# Altium PCB RevA2.PcbDoc (part 4 of 6) (continued)
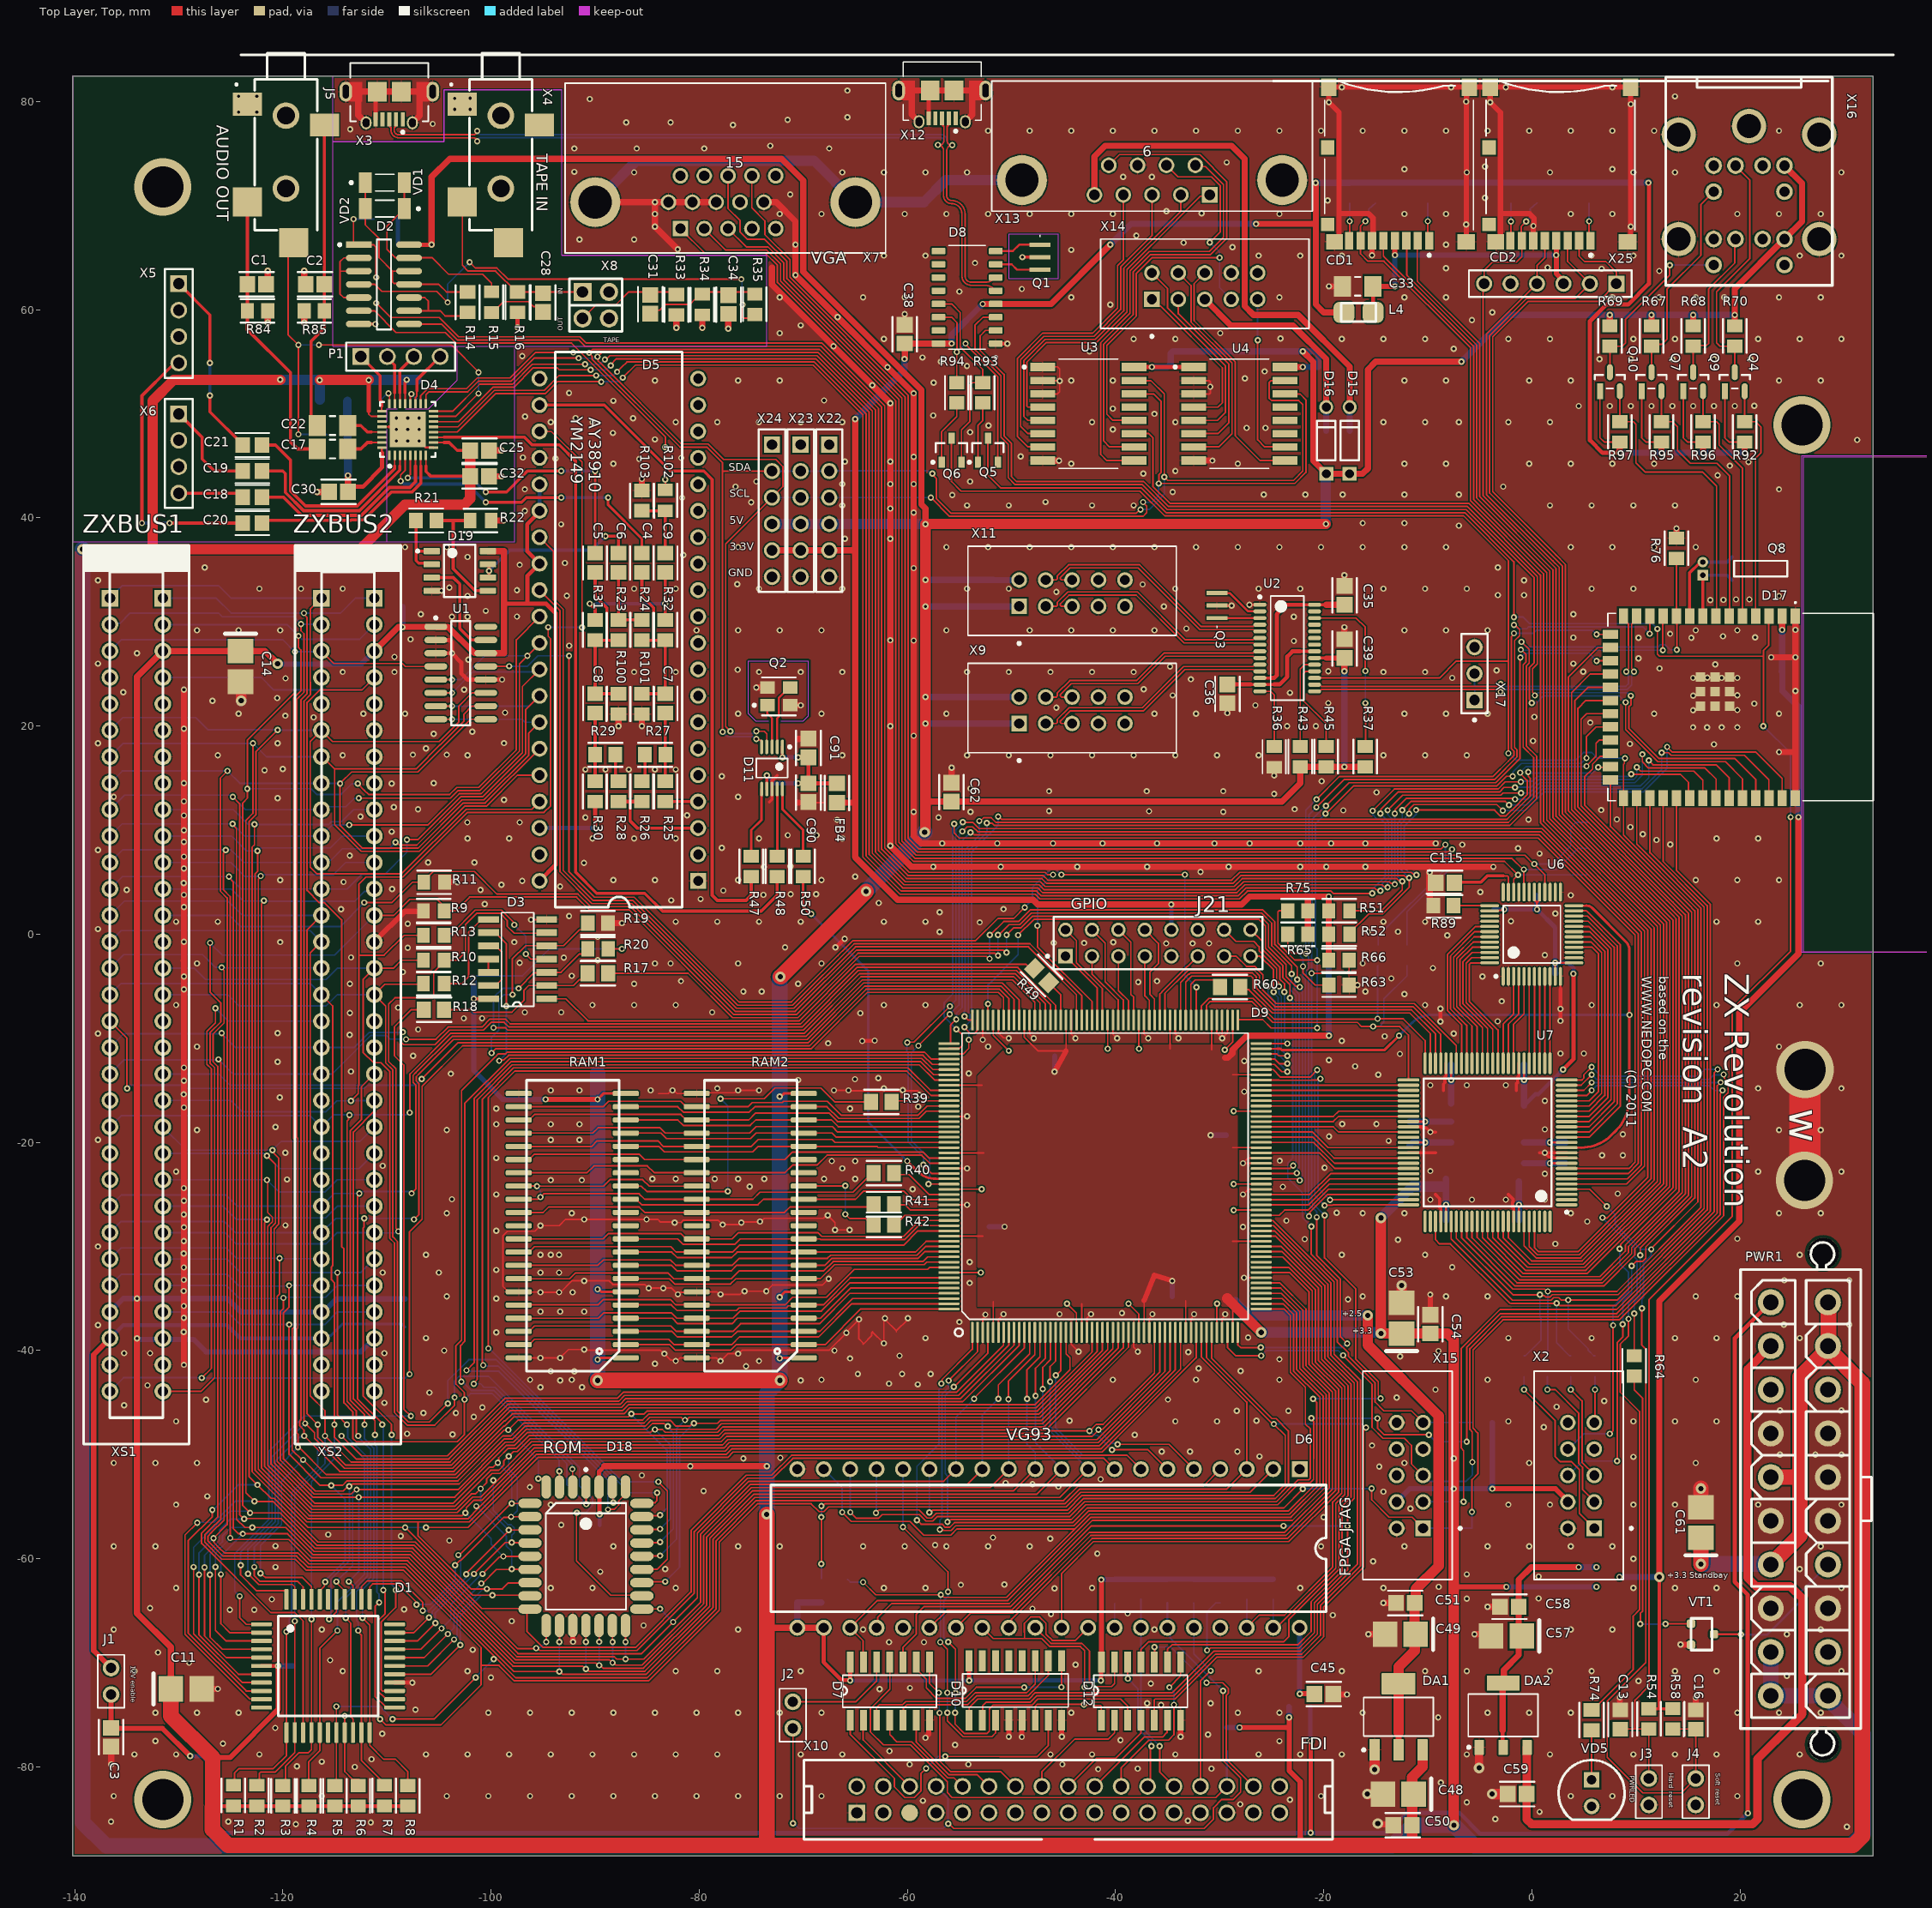
[diagram p0: Top Layer, Top view]
## Nets (pads, with @x,y where several pads share a name; then routed paths per layer and width w, separated by ;. In a path a pad name is that pad's centre, name@x,y a point inside that pad or via, vN(x,y) a via of type N, cw(c..) or ccw(c..) an arc to the next point about the centre after c; other vN are vias at no path point) (continued)
  other v1: 30.274,-85.739 -118.75,-85.5 -111.546,-85.338 -136.5,-85.25 -125.238,-85.25 -33.05,-85.168 -3.5,-85 0.75,-84.32 -28.012,-83.585 -6.25,-83.391 -58.5,-83.25 -23.236,-83.145 -136.25,-82.8 -116.25,-82.8 -104.25,-82.8 -100.25,-82.8 -96.25,-82.8 -92.25,-82.8 -88.25,-82.8 -84.25,-82.8 -80.25,-82.8 -76.25,-82.8 -72.25,-82.8 -68.25,-82.8 -20.25,-82.8 3.75,-82.8 7.75,-82.8 19.75,-82.8 -8.75,-81.5 -41.666,-80.215 -37.855,-80.162 -30.777,-80.162 -113.079,-80 -118.65,-79.941 -59.775,-79.75 -54.129,-79.75 -45.1,-79.75 -116.25,-79.5 -111.479,-79.262 -134.25,-78.8 -130.25,-78.8 -122.25,-78.8 -106.25,-78.8 -102.25,-78.8 -98.25,-78.8 -94.25,-78.8 -90.25,-78.8 -86.25,-78.8 -82.25,-78.8 -78.25,-78.8 -70.25,-78.8 -66.25,-78.8 -46.25,-78.8 -42.25,-78.8 -34.25,-78.8 -26.25,-78.8 -22.25,-78.8 -18.25,-78.8 -6.25,-78.8 1.75,-78.8 9.75,-78.8 13.75,-78.8 17.75,-78.8 25.75,-78.8 -61.719,-78.484 -55.41,-77.886 -125.75,-77.75 -24.25,-77.522 -132.25,-77.5 -39.525,-77.425 -31.104,-76.898 -110.45,-76.8 -120.731,-76.25 -9,-75.25 -132.25,-74.8 -128.25,-74.8 -124.25,-74.8 -100.25,-74.8 -96.25,-74.8 -92.25,-74.8 -88.25,-74.8 -84.25,-74.8 -80.25,-74.8 -76.25,-74.8 -72.25,-74.8 -68.25,-74.8 -44.25,-74.8 -28.25,-74.8 -24.25,-74.8 -16.25,-74.8 -4.25,-74.8 -0.25,-74.8 3.75,-74.8 19.75,-74.8 23.75,-74.8 27.75,-74.8 -107.25,-74.5 -35.62,-74.047 -30.865,-73.892 -36.96,-73.88 -62.674,-72.536 -59.75,-72.414 -36.605,-72 10.25,-71.75 -100,-71.411 24.5,-71.25 -134.25,-70.8 -114.25,-70.8 -102.25,-70.8 -82.25,-70.8 -78.25,-70.8 -70.25,-70.8 -26.25,-70.8 -18.25,-70.8 -10.25,-70.8 -6.25,-70.8 1.75,-70.8 5.75,-70.8 13.75,-70.8 17.75,-70.8 29.75,-70.8 -43.826,-70.169 -129,-70 -115.45,-69.75 -132,-69 -101.75,-68.75 -61.75,-68.01 -58.403,-68.01 24.5,-67.25 -136.25,-66.8 -116.25,-66.8 -76.25,-66.8 -64.25,-66.8 -36.25,-66.8 3.75,-66.8 7.75,-66.8 27.75,-66.8 -85.345,-66.41 -98,-66 -19.13,-65.42 -46.199,-65.305 -38.828,-65.25 -125.096,-64.9 -122.75,-64.9 -108.35,-64.87 -47.982,-64.796 -132.75,-64.75 -121.05,-63.9 -6.25,-63.835 0.644,-63.818 -45.846,-62.836 -130.25,-62.8 -94.25,-62.8 -90.25,-62.8 -82.25,-62.8 -62.25,-62.8 -58.25,-62.8 -42.25,-62.8 -22.25,-62.8 -14.25,-62.8 9.75,-62.8 13.75,-62.8 17.75,-62.8 29.75,-62.8 -8.944,-62.7 -54.858,-62.503 -50.666,-62.464 0.665,-61.717 -6.25,-61.5 -89.5,-61.25 -83.25,-61 25.75,-61 -120.7,-60.8 -15.25,-60.25 9.75,-60 -41.75,-59.5 -136.25,-58.8 -132.25,-58.8 -88.25,-58.8 -76.25,-58.8 -72.25,-58.8 -64.25,-58.8 -60.25,-58.8 -56.25,-58.8 -52.25,-58.8 -48.25,-58.8 -20.25,-58.8 -12.25,-58.8 -4.25,-58.8 -0.25,-58.8 3.75,-58.8 7.75,-58.8 27.75,-58.8 -120.7,-58.78 -57.327,-58.683 -104,-58.25 -46.277,-58.076 -51.763,-57.958 -108.665,-57.813 -115.633,-57.677 -93.25,-56.759 -20,-56 -11.669,-55.18 -130.25,-54.8 -94.25,-54.8 -2.25,-54.8 1.75,-54.8 9.75,-54.8 13.75,-54.8 21.75,-54.8 29.75,-54.8 -127.25,-54 -14.25,-53.56 -79.574,-53.488 -96.265,-53.11 -45.495,-53.058 -47.968,-52.833 -50.562,-52.729 -41.425,-52.357 -85.505,-51.985 -14.657,-51.146 -136.25,-50.8 -132.25,-50.8 -128.25,-50.8 -12.25,-50.8 -0.25,-50.8 15.75,-50.8 -75.75,-50.353 -72.202,-50.298 9.75,-50.21 -26.162,-50.169 23.84,-50 27.25,-50 29.75,-50 -35.549,-49.712 -32.837,-49.712 -28.288,-49.712 -15.352,-49.114 -38.162,-48.103 -103.681,-48.061 -108.062,-48 1.137,-47.357 -130.25,-46.8 -34.25,-46.8 -30.25,-46.8 -2.25,-46.8 9.75,-46.8 13.75,-46.8 17.75,-46.8 -44.408,-46.73 -26.46,-46.732 -101.65,-46.363 -106.5,-46 -103.375,-46 -28.347,-45.798 -23.388,-45.798 23.84,-45.75 29.75,-45.75 -100.825,-45.463 2.379,-45.404 -135.25,-45.25 -110.25,-45.022 6.967,-44.837 -127.388,-44.71 -34.963,-44.706 -12.98,-44.514 -105.915,-44.042 -9.25,-43.75 -95.25,-43.525 -91.25,-43.525 -133,-43.344 -59,-43.25 -61.75,-43.172 -93.35,-42.863 -70.25,-42.863 -96.25,-42.8 -92.25,-42.8 -68.25,-42.8 -40.25,-42.8 -32.25,-42.8 -24.25,-42.8 -4.25,-42.8 15.75,-42.8 -64.75,-42.25 -60.5,-42.25 -57.75,-42.25 -94.25,-41.983 -92,-42 -27.983,-41.952 -32.023,-41.706 -75.5,-41.5 -84.25,-41.25 -74.25,-41 -24.25,-40.834 -65.5,-40.75 -12.644,-40.565 -60.75,-40.5 -135.25,-40.25 -132.75,-40.25 -110.25,-40.25 -32.997,-40.152 -8.968,-40.037 -104.5,-40 -67,-40 -106.25,-38.8 -58.25,-38.8 -2.25,-38.8 5.75,-38.8 13.75,-38.8 17.75,-38.8 25.75,-38.8 -27.25,-38.75 -99.5,-38.25 -137.75,-37.553 24.206,-37.5 30.5,-37.5 -55,-37.25 -45.375,-36.5 -39.375,-36.4 -95.25,-36.25 -93.35,-36.25 -91.05,-36.25 -17.656,-35.085 -99.5,-35 -104.25,-34.8 -16.25,-34.8 -8.25,-34.8 -4.25,-34.8 15.75,-34.8 19.75,-34.8 -92.15,-34.4 -54,-33.5 24.25,-33.25 30.5,-33.25 -129.507,-33.2 -110.41,-32.5 -105,-32.5 -95.25,-32.5 -93.45,-32.5 -99.5,-32.25 -7.644,-32 -54,-31.5 -106.25,-30.8 -95.25,-30.8 -94.25,-30.8 -93.45,-30.8 -18.25,-30.8 -10.25,-30.8 21.75,-30.8 25.75,-30.8 -137.75,-30 2.25,-29.75 -12.856,-29.35 -21.823,-29.287 19.75,-29.25 -99.5,-28.5 -27.75,-28.106 -119.745,-27.965 5.324,-27.6 -23.581,-27.52 -104.25,-26.8 -92.25,-26.8 -16.25,-26.8 -12.25,-26.8 3.75,-26.8 23.75,-26.8 27.75,-26.8 -18.738,-26.767 -9.75,-25.5 -5.75,-25.5 -2.5,-25.5 1.25,-25.5 -103.75,-25.46 -99.5,-25 8.254,-24.928 -59.5,-24.5 -75.15,-24.25 -23.923,-24.265 -94.25,-23.614 -91.276,-23.614 -119.603,-23.557 -84.5,-23.5 -82.25,-23.5 -78.5,-23.5 -76.25,-23.5 -73.75,-23.5 -68,-23.5 -65,-23.5 1.25,-23 -130.25,-22.8 21.75,-22.8 29.75,-22.8 -9.75,-22.75 -66.25,-22.5 -19.915,-22.437 -110.41,-22.25 -67.25,-21.8 -65,-21.8 -24.214,-21.76 -99.5,-21.5 6.75,-21.25 8.75,-21.25 -119.766,-20.998 -13.75,-19.85 -137.75,-19.75 -94.25,-19.75 -91.5,-19.75 -19.477,-19.429 8.75,-19.222 -128.25,-18.8 -104.25,-18.8 23.75,-18.8 27.75,-18.8 1.25,-18.75 -120.7,-18.51 -99.5,-18.25 -94.25,-18.25 -91.5,-18.25 -18.224,-18.242 -14.932,-18.231 -99.5,-16.75 -65.5,-16.75 -58.95,-16.562 1.25,-16 -120.294,-15.675 -58.859,-15.437 -27.622,-15.125 -94.25,-15 -91.5,-15 -84.65,-15 -60.445,-14.978 -78.25,-14.8 -62.25,-14.8 21.75,-14.8 29.75,-14.8 -9.75,-14.5 -6.25,-14.5 -2.5,-14.5 -70.5,-14 -65.032,-13.921 -62.793,-13.822 -14.75,-13.5 -103.863,-13.397 -54.1,-13.375 -113.45,-13.181 -16.967,-12.691 -120.5,-12.25 -27.622,-12.176 -19.5,-12.1 -107.475,-11.69 -12.678,-11.5 2.75,-11.451 5,-11.451 -128.25,-10.8 -52.25,-10.8 23.75,-10.8 -67.609,-10.473 -64.332,-10.259 -18.25,-10.25 -14.131,-9.802 -113.587,-9.669 -137.75,-9.547 -7.509,-9.534 -120.5,-9.5 -107,-9.15 -3.283,-8.362 -102.607,-8.073 -100.863,-8.073 -64.517,-7.579 -113.563,-7.559 -96.75,-7.5 -93.25,-7.5 -78.75,-7.5 2.75,-7.175 -108.931,-7.05 -130.25,-6.8 -90.25,-6.8 -86.25,-6.8 -82.25,-6.8 -62.25,-6.8 -58.25,-6.8 -10.25,-6.8 5.75,-6.8 17.75,-6.8 25.75,-6.8 29.75,-6.8 -2.9,-6.438 -12.25,-5.75 -75.75,-5.5 -74,-5.5 -16,-5.5 -113.563,-4.771 -86.25,-4.75 -70.5,-4.75 -37.808,-4.604 -81.75,-4.5 -36,-4.5 -13.5,-4.25 -129.5,-4.07 -4.75,-4.05 -92.25,-4 -108.471,-3.631 -9.5,-3.25 -128.25,-2.8 -84.25,-2.8 -82.75,-2.8 -76.25,-2.8 -68.25,-2.8 -16.25,-2.8 19.75,-2.8 27.75,-2.8 -97.25,-2.75 -89.75,-2.5 -93,-2.25 -113.441,-2.225 -2,-2 1.25,-2 -108,-1.295 -71.75,-1.248 -35.128,-0.876 -32.588,-0.876 -31,-0.876 -43.007,-0.834 -45.93,-0.831 -40.208,-0.774 -120.25,-0.75 -97.75,-0.75 -89.75,-0.25 -8.109,-0.1 -56.897,0.225 -15.75,0.25 -12.867,0.25 -137.75,0.5 -108,1.01 -53.045,1.143 -130.25,1.2 -126.25,1.2 -82.25,1.2 -78.25,1.2 -74.25,1.2 -70.25,1.2 -62.25,1.2 -58.25,1.2 -14.25,1.2 -10.25,1.2 17.75,1.2 21.75,1.2 -2,1.25 -92.5,1.75 2.25,2 -56.897,2.121 -114.411,2.407 -50.75,2.421 -100.595,2.912 -62.75,3 -82.672,3.258 -79.866,3.382 3.75,3.75 -129.5,3.785 -73.831,3.786 -71.204,3.852 -68.75,3.852 -4.95,4.05 -77.675,4.197 -135,4.25 -101,4.25 -109.5,4.35 -93.366,4.586 -99,4.75 -114.169,5.025 -97,5.125 -120.25,5.2 -88.25,5.2 -84.25,5.2 -76.25,5.2 -68.25,5.2 15.75,5.2 19.75,5.2 23.75,5.2 -65,5.546 -9.809,5.95 -31.823,5.98 -129.5,6.325 -73.779,6.465 -36.952,6.475 -29.131,6.475 -71.239,6.523 -91.063,6.855 -106.043,6.89 -101.588,6.89 -113.564,7.558 0.75,7.75 -137.75,8.103 -1.325,8.25 -77.811,8.288 -6.685,8.609 13.296,8.632 11.991,9.057 -102.25,9.2 -98.25,9.2 -90.25,9.2 -86.25,9.2 -82.25,9.2 -74.25,9.2 -66.25,9.2 17.75,9.2 21.75,9.2 -71.491,9.509 -68.722,9.509 10.67,9.607 -109.548,9.851 9.459,10.299 -102.265,10.75 -97.25,10.744 -66.75,11 -0.309,11.022 8.169,11.038 -90.934,11.229 -56.998,11.231 -112.537,11.3 -81.16,11.428 -53.94,11.75 -29.641,11.75 -36.776,11.817 -46.379,11.834 -18.11,11.905 6.66,11.935 -107.011,12.008 -22.777,12.02 -109.326,12.218 -98.75,12.908 -120.5,13.073 -136.25,13.2 -76.25,13.2 -24.75,13.5 -14.914,13.638 -46.379,13.75 -37,13.75 -29.641,13.75 -53.94,14 -109.548,14.467 -105.5,14.51 -20.187,14.708 -77.831,15.17 -121.75,15.75 -90.934,15.824 -89,15.824 -86.75,15.824 -84.25,15.824 -82.25,15.824 -120,15.885 -126.25,17.2 -114.25,17.2 -102.25,17.2 -66.25,17.2 -54.25,17.2 -50.25,17.2 -46.25,17.2 -42.25,17.2 -38.25,17.2 -34.25,17.2 -30.25,17.2 -26.25,17.2 -14.25,17.2 -10.25,17.2 -6.25,17.2 -107.5,17.25 -104.25,17.25 -106.25,17.85 17.5,18.25 9.425,18.286 -137.75,18.342 -120.504,18.339 -98.75,18.364 0.128,18.579 -105.5,19.25 -101.792,19.466 15.496,19.887 16.854,19.881 18.246,19.887 19.746,19.887 -61.641,20 -23.501,20 -20.75,20 5.619,20.341 -117.043,20.836 0.231,20.879 -119.75,21 -124.25,21.2 -112.25,21.2 -108.25,21.2 -76.25,21.2 -68.25,21.2 -56.25,21.2 -36.25,21.2 -32.25,21.2 -12.25,21.2 -8.25,21.2 -4.25,21.2 11.75,21.2 23.75,21.2 -98.64,21.299 15.497,21.532 19.748,21.537 -45.678,21.765 -26.55,22 21.379,22.159 -19.551,22.207 -126.75,22.432 -120.531,22.696 15.503,22.916 -34.5,22.951 19.743,22.963 -23.25,23.199 -135.318,23.25 -102.568,23.51 -37.285,23.54 -32.75,24.5 -119.737,24.585 -7.642,24.633 15.496,24.637 16.869,24.644 18.246,24.637 19.746,24.637 -114.25,25.2 -109.278,25.2 -86.25,25.2 -82.25,25.2 -74.25,25.2 -70.25,25.2 -66.25,25.2 -54.25,25.2 -50.25,25.2 -46.25,25.2 -42.25,25.2 -38.25,25.2 -14.25,25.2 -10.25,25.2 4.934,25.231 -19.551,25.27 -3.383,25.357 -76.295,25.416 12.262,25.54 -34.75,25.73 17.637,25.938 -137.75,26 4,26 -102.161,26.381 10.25,26.5 -109.278,26.645 -134,27 -92.489,27.72 -22.855,28.171 -107.722,28.341 4,28.5 10.25,28.487 15.332,28.487 21.453,28.514 18.365,28.623 13.288,28.866 -128.25,29.2 -124.25,29.2 -120.25,29.2 -80.25,29.2 -76.25,29.2 -72.25,29.2 -68.25,29.2 -56.25,29.2 -48.25,29.2 -44.25,29.2 -40.25,29.2 -36.25,29.2 -12.25,29.2 -8.25,29.2 -4.25,29.2 15.75,29.2 19.75,29.2 -33.189,29.369 -103.75,30.5 -102.25,30.5 -22.878,30.505 -97.5,30.525 -106.75,30.738 4,30.75 -100.5,31.064 -35.344,31.5 17.154,32.103 18.401,32.131 19.629,32.168 20.904,32.168 -102.25,32.5 23.75,32.5 -92.712,32.532 -3.25,32.581 -0.745,32.581 -45.678,32.884 -97.5,33.065 -122.25,33.2 -118.25,33.2 -114.25,33.2 -86.25,33.2 -82.25,33.2 -74.25,33.2 -66.25,33.2 -54.25,33.2 -50.25,33.2 -34.25,33.2 -26.25,33.2 -22.25,33.2 -14.25,33.2 -10.25,33.2 -6.25,33.2 5.75,33.2 9.75,33.2 -104,33.292 -76.347,33.622 -37.385,33.615 -137.75,34 -0.745,34 -127.5,35.25 -3.25,35.25 -111.5,35.5 -97.25,35.5 -92.894,35.673 -102.25,36.25 -81.534,36.435 -108.25,37.2 -104.25,37.2 -76.25,37.2 -56.25,37.2 -52.25,37.2 -48.25,37.2 -44.25,37.2 -40.25,37.2 -36.25,37.2 -32.25,37.2 -28.25,37.2 -24.25,37.2 -20.25,37.2 -16.25,37.2 -12.25,37.2 -8.25,37.2 3.75,37.2 7.75,37.2 11.75,37.2 15.75,37.2 23.75,37.2 -66,38 -7,39.25 -93.257,39.385 -16.25,39.5 -12.25,39.5 -96.75,40.685 -66.25,41.2 -54.25,41.2 -50.25,41.2 -42.25,41.2 -38.25,41.2 1.75,41.2 5.75,41.2 9.75,41.2 13.75,41.2 -75,41.5 -46.712,41.528 -81.637,41.931 -55.676,42.203 -25.75,42.25 -21.75,42.25 -18.175,42.25 -12.25,42.25 -7,42.25 -34.5,42.5 -96.75,42.75 23.75,42.75 -2.75,43 -76.5,43.01 -66.25,43.25 -74.5,43.5 -53.966,43.5 17.856,44.099 -37.321,44.25 -34.25,44.5 19.02,45.014 -88.25,45.2 -44.25,45.2 -28.25,45.2 -12.25,45.2 -8.25,45.2 -0.25,45.2 3.75,45.2 7.75,45.2 11.75,45.2 20.815,45.364 -66,45.408 -85.748,45.665 -93.806,45.709 -81.714,45.765 -96.934,45.806 -49.113,45.91 31.25,47.5 -84.25,47.543 -88.278,48.16 -53.966,48.231 -40.25,48.5 -27.406,48.643 -25.594,48.643 -52.208,48.884 -94.25,49.2 -90.25,49.2 -82.25,49.2 -78.25,49.2 -74.25,49.2 -70.25,49.2 -66.25,49.2 -42.25,49.2 -34.25,49.2 -14.25,49.2 -10.25,49.2 -7,49.2 -2.25,49.2 1.75,49.2 -86.359,49.574 -91.87,49.594 -96.729,49.734 -57.524,49.843 -36.25,50 -40.25,50.5 4.5,50.75 7.5,50.75 9.5,50.75 11.5,50.75 13.5,50.75 15.5,50.75 17.5,50.75 19.5,50.75 21.38,50.763 -88.25,51.25 -68,51.284 -92.5,52 -57.483,52.996 -84.25,53.2 -76.25,53.2 -72.25,53.2 -44.25,53.2 -40.25,53.2 -12.25,53.2 -8.25,53.2 -0.25,53.2 3.75,53.2 23.75,53.2 27.75,53.2 -27.555,53.408 -25.668,54.078 -54.272,54.599 -56.775,55.012 6.5,55.25 9.5,55.25 13.5,55.25 17.5,55.25 21,55.25 -58.547,55.412 -97,55.542 -42.5,56 -7.5,56.25 -62.25,57.2 -38.25,57.2 -34.25,57.2 -18.25,57.2 -14.25,57.2 -10.25,57.2 -2.25,57.2 1.75,57.2 9.75,57.2 13.75,57.2 21.75,57.2 25.75,57.2 29.75,57.2 -24.154,57.23 -72.25,57.75 -29.937,57.752 -77.203,58.185 -70.25,58.5 -5.75,59 -3.805,59.75 -40.5,60.5 -72.25,61.2 -64.25,61.2 -60.25,61.2 -44.25,61.2 -24.25,61.2 -12.25,61.2 -8.25,61.2 7.75,61.2 12.25,61.2 15.75,61.2 18.5,61.2 23.75,61.2 27.75,61.2 -55,61.75 -49,62 12.25,63.727 6.699,63.931 -8.25,64 1.527,64.049 -53.5,64.5 -66.25,65.2 -62.25,65.2 -58.25,65.2 -26.25,65.2 -22.25,65.2 -18.25,65.2 5.75,65.2 9.75,65.2 25.75,65.2 29.75,65.2 -44.25,65.75 -28.75,66 -8.25,66.25 -33.462,66.439 -91.5,66.75 -86.25,66.75 -38,67.117 -84.25,69.2 -72.25,69.2 -68.25,69.2 -60.25,69.2 -56.25,69.2 -52.25,69.2 -48.25,69.2 -44.25,69.2 -40.25,69.2 -24.25,69.2 -12.25,69.2 -8.25,69.2 3.75,69.2 7.75,69.2 19.75,69.2 23.75,69.2 27.75,69.2 -31.724,69.268 -35.101,69.471 -19.609,70.5 -4.5,70.75 -71.25,71.082 -39.256,72.761 -36.494,72.761 -86.25,73.2 -66.25,73.2 -62.25,73.2 -58.25,73.2 -54.25,73.2 -6.25,73.2 1.75,73.2 9.75,73.2 13.75,73.2 29.75,73.2 -92,73.25 -12.25,73.5 7.75,73.5 -4.5,73.75 -29.321,74.155 -92,75.5 -86,75.5 -79.512,75.5 -67.5,75.5 -73.172,75.75 -52.25,77.2 -48.25,77.2 -44.25,77.2 -40.25,77.2 -36.25,77.2 -32.25,77.2 -28.25,77.2 -24.25,77.2 -20.25,77.2 -16.25,77.2 -12.25,77.2 -8.25,77.2 -4.25,77.2 -0.25,77.2 3.75,77.2 7.75,77.2 11.75,77.2 23.75,77.2 -113.526,77.335 -76.75,77.75 -105.6,77.86 -87,78 -82.75,78 -71.5,78.25 -65.75,78.5 -124.25,79 -122.5,79 -103.5,79.25 -102,79.25 -90.5,80.25 -103.5,80.31 -102,80.325 -124.25,80.5 -122.5,80.5 13.75,80.5 -65.75,81.062
  other v3: -15.817,-82.602 -3.817,-82.602 -15.105,-80.26 -5.067,-80.102
  other v4: -109.1,47.4 -108,47.4 -109.1,48.5 -106.9,48.5 -109.1,49.6 -108,49.6 -106.9,49.6
GPAD1_BTN_B_10: U3.9 X13.6 | length 41.1
  Top Layer, Top w0.15: U3.9@-38.2,45.51 -40.842,45.51 -41.429,46.097 -41.429,56.821 -38.6,59.65 -38.6,63.738 -36.739,65.599 -30.996,65.599 -29.621,66.974 -29.621,72.026 -31.356,73.761 -32.214,73.761 X13.6@-32.331,73.878
GPAD1_BTN_C_10: U3.10 X13.9 | length 49.2
  Top Layer, Top w0.15: X13.9@-40.641,73.878 -39.616,74.903 -31.906,74.903 -29.321,72.318 -29.321,66.85 -30.871,65.299 -36.615,65.299 -38.3,63.614 -38.3,59.526 -41.129,56.697 -41.129,47.388 -40.571,46.83 U3.10@-38.2,46.83
GPAD1_DN_10: U3.5 X13.2 | length 32.3
  Top Layer, Top w0.15: U3.5@-47,49.37 -48.425,49.37 -48.813,49.758 -48.813,55.1 -46.763,57.15 -41.949,57.15 -39.2,59.899 -39.2,63.987 -33.716,69.471 X13.2@-33.716,71.038
GPAD1_LEFT_10: U3.6 X13.3 | length 32.7
  Top Layer, Top w0.15: U3.6@-47,48.1 -48.425,48.1 -49.113,48.788 -49.113,55.225 -46.887,57.45 -42.073,57.45 -39.5,60.023 -39.5,64.111 -36.494,67.117 -36.494,71.03 X13.3@-36.486,71.038
GPAD1_RIGHT_10: U3.7 X13.4 | length 33.1
  Top Layer, Top w0.15: U3.7@-47,46.83 -48.425,46.83 -49.413,47.818 -49.413,55.349 -47.012,57.75 -42.197,57.75 -39.8,60.147 -39.8,64.235 -39.256,64.779 X13.4@-39.256,71.038
GPAD1_UP_10: U3.4 X13.1 | length 32.4
  Top Layer, Top w0.15: U3.4@-47,50.64 -48.425,50.64 -48.513,50.728 -48.513,54.976 -46.639,56.85 -41.824,56.85 -38.9,59.774 -38.9,63.862 -36.537,66.226 -36.524,66.226 -31.833,70.917 -31.067,70.917 X13.1@-30.946,71.038
GPAD2_BTN_B_10: U4.9 X14.6 | length 23.4
  Top Layer, Top w0.15: X14.6@-31.5,63.5 -31.5,63.46 -32.445,62.515 -32.445,58.945 -28.502,55.002 -28.502,47.908 -26.104,45.51 U4.9@-23.7,45.51
GPAD2_BTN_C_10: U4.10 X14.9 | length 16.4
  Top Layer, Top w0.15: v1(-26.34,57.072) -26.34,47.504 -25.666,46.83 U4.10@-23.7,46.83
  Bottom Layer, Bottom w0.15: v1(-26.34,57.072) X14.9@-26.34,61
GPAD2_DN_10: U4.5 X14.2 | length 19.7
  Top Layer, Top w0.15: X14.2@-36.5,63.54 -35.01,62.05 -35.01,60.193 -29.427,54.61 -29.427,50.16 -30.217,49.37 U4.5@-32.5,49.37
GPAD2_LEFT_10: U4.6 X14.3 | length 17.8
  Top Layer, Top w0.15: X14.3@-33.75,61 -33.96,60.79 -33.96,59.611 -29.102,54.753 -29.102,49.162 -30.164,48.1 U4.6@-32.5,48.1
GPAD2_RIGHT_10: U4.7 X14.4 | length 21.7
  Top Layer, Top w0.15: X14.4@-33.92,63.5 -32.745,62.325 -32.745,58.821 -28.802,54.878 -28.802,48.1 -30.072,46.83 U4.7@-32.5,46.83
GPAD2_UP_10: U4.4 X14.1 | length 15.8
  Top Layer, Top w0.15: X14.1@-36.5,61 -35.835,60.335 -35.647,60.335 -29.727,54.415 -29.727,51.067 -30.111,50.684 cw(c-30.216,50.79) -30.216,50.64 U4.4@-32.5,50.64
GPAD_SELECT_10: U3.12 X13.7 X14.7 | length 44.3
  Top Layer, Top w0.15: U3.12@-38.2,49.37 -38.212,49.382 -40.244,49.382 -40.829,49.967 -40.829,50.794 -40.829,56.572 -38,59.401 -38,63.49 -36.49,64.999 v1@-30.001,64.999 ; X13.7@-35.101,73.878 -33.984,72.761 -30.78,72.761 -29.921,71.902 -29.921,67.487 v1(-30.935,66.473)
  Bottom Layer, Bottom w0.15: v1(-30.935,66.473) -30,65.537 v1(-30,65) ; v1@-30,64.974 -30,62.12 X14.7@-28.88,61
GPIO_0_1: D9.132 J21.1 | length 7.4
  Top Layer, Top w0.15: J21.1@-44.797,-2.114 -41.766,-5.145 -41.766,-8.234 D9.132@-41.75,-8.25
GPIO_1_1: D9.131 J21.2 | length 10.1
  Top Layer, Top w0.15: J21.2@-44.797,0.426 -43.75,-0.621 -43.75,-2.737 -41.25,-5.237 D9.131@-41.25,-8.25
GPIO_2_1: D9.128 J21.3 | length 7.2
  Top Layer, Top w0.15: J21.3@-42.257,-2.114 -42.257,-3.797 -39.75,-6.305 D9.128@-39.75,-8.25
GPIO_3_1: D9.127 J21.4 | length 9.9
  Top Layer, Top w0.15: J21.4@-42.257,0.426 -41,-0.831 -41,-4.554 -39.25,-6.305 D9.127@-39.25,-8.25
GPIO_4_1: D9.126 J21.5 | length 6.5
  Top Layer, Top w0.15: J21.5@-39.717,-2.114 -39.717,-5.41 -38.75,-6.377 D9.126@-38.75,-8.25
GPIO_5_1: D9.125 J21.6 | length 9.3
  Top Layer, Top w0.15: J21.6@-39.717,0.426 -38.517,-0.774 -38.517,-5.787 -38.25,-6.054 D9.125@-38.25,-8.25
GPIO_6_1: D9.122 J21.7 | length 6.3
  Top Layer, Top w0.15: J21.7@-37.177,-2.114 -37.177,-5.922 -36.75,-6.349 D9.122@-36.75,-8.25
GPIO_7_1: D9.121 J21.8 | length 9.7
  Top Layer, Top w0.15: J21.8@-37.177,0.426 -35.875,-0.876 -35.875,-2.809 -36.686,-3.62 -36.686,-5.787 -36.25,-6.223 D9.121@-36.25,-8.25
GPIO_8_1: D9.120 J21.11 | length 7.7
  Top Layer, Top w0.15: D9.120@-35.75,-8.25 -35.75,-5.767 -35.55,-5.567 -35.55,-5.549 -33.071,-3.07 -33.053,-3.07 J21.11@-32.097,-2.114
GPIO_9_1: J21.12
GPIO_10_1: D9.100 J21.13 | length 17.6
  Top Layer, Top w0.15: J21.13@-29.557,-2.114 -28.388,-2.114 -27.418,-3.084 -26.632,-3.084 -26.232,-3.484 -25.838,-3.878 -25.838,-4.517 v1(-25.357,-4.998) ; D9.100@-26,-12.5 -24.728,-12.5 -24.025,-13.203 v1(-23.485,-13.203)
  Bottom Layer, Bottom w0.15: v1(-25.357,-4.998) -25.34,-5.015 -25.34,-5.752 -24.665,-6.427 -24.665,-12.023 v1(-23.485,-13.203)
GPIO_11_1: D9.102 J21.14 | length 18.2
  Top Layer, Top w0.15: J21.14@-29.557,0.426 -28.441,-0.69 -26.706,-0.69 -26.192,-1.204 -26.192,-1.604 -24.511,-3.285 -24.511,-4.42 -24.332,-4.599 -24.332,-4.957 v1(-24.29,-4.999) ; D9.102@-26,-11.5 -24.5,-11.5 -24.319,-11.681 v1(-23.485,-11.681)
  Bottom Layer, Bottom w0.15: v1(-24.29,-4.999) -24.29,-5.752 -24.065,-5.977 -24.065,-11.101 v1(-23.485,-11.681)
GPIO_12_1: D9.101 J21.15 | length 15
  Top Layer, Top w0.15: J21.15@-27.017,-2.114 -26.106,-2.114 -24.815,-3.405 v1(-24.815,-5.535) ; D9.101@-26,-12 -24.697,-12 -24.265,-12.431 v1(-23.485,-12.431)
  Bottom Layer, Bottom w0.15: v1(-24.815,-5.535) -24.815,-5.651 -24.365,-6.101 -24.365,-11.551 v1(-23.485,-12.431)
GPIO_13_1: D9.104 J21.16 | length 14.9
  Top Layer, Top w0.15: J21.16@-27.017,0.426 -25.892,-0.699 -25.892,-1.48 -24.211,-3.16 -24.211,-4.296 -23.765,-4.741 v1(-23.765,-5.535) ; D9.104@-26,-10.5 -25.998,-10.502 -23.495,-10.502 v1(-23.493,-10.504)
  Bottom Layer, Bottom w0.15: v1(-23.765,-5.535) -23.765,-10.191 -23.493,-10.463 v1(-23.493,-10.504)
H\A\L\T\: D1.14 XS1.B15 XS2.B15 | length 102.2
  Top Layer, Top w0.15: v1(-125.875,-3.182) -125.875,-3.27 -125.65,-3.495 -125.65,-8.532 -126.7,-9.582 -126.7,-12.242 -126.25,-12.692 -126.25,-55.984 -127.8,-57.534 -127.8,-58.536 -121.162,-65.175 -118.862,-65.175 -118.05,-65.987 D1.14@-118.05,-76.7
  Bottom Layer, Bottom w0.15: XS1.B15@-136.985,-3.645 -135.299,-1.958 -127.711,-1.958 -126.487,-3.182 v1(-125.875,-3.182) -125.818,-3.239 -116.32,-3.239 XS2.B15@-116.29,-3.27
HSYNC_1: D9.111 R91.1 U7.51 | length 34.2
  Top Layer, Top w0.15: D9.111@-31.25,-8.25 -31.25,-6.823 -30.885,-6.458 -26.893,-6.458 -24.89,-8.461 -16.75,-8.461 -16.347,-8.864 v1(-15.25,-8.864) -12.678,-8.864 -11.85,-9.692 U7.51@-11.85,-14
  Bottom Layer, Bottom w0.15: v1(-15.25,-8.864) -14.64,-8.864 -14.219,-8.443 -14.219,-6.219 -12,-4 R91.1@-12,-3
I2C.SCL_1: D4.17 D11.4 D17.38 R51.2 U3.14 U4.14 X22.3 X23.3 X24.3 | length 329.3
  Top Layer, Top w0.15: D4.17@-106.25,50.975 -106.25,51.831 -105.962,52.119 -102.229,52.119 -101.199,53.15 -98.053,53.15 -95.849,55.354 v1(-91.575,55.354) ; v1(-77,19.5) -77.45,19.95 -77.45,37.51 X24.3@-73,41.96 -71.95,43.01 -71.95,44.935 -72.635,45.62 -77.646,45.62 -79.128,47.102 -81.714,47.102 -89.445,54.833 -89.713,55.102 -89.713,55.431 v1(-89.77,55.488) -89.372,55.886 -68.548,55.886 -63.066,50.404 -63.066,7.909 -60.207,5.05 -47.202,5.05 -46.744,4.592 -28.58,4.592 -27.822,5.35 -12.971,5.35 -12.788,5.168 -12.539,5.168 v1(-12.453,5.081) -12.453,4.272 -14.474,2.25 R51.2@-17.506,2.25 ; v1(-74.5,19.5) -73.75,19.5 -73.5,19.25 D11.4@-73.5,18 ; v1(-57.736,41.958) -55.936,40.157 -37.345,40.157 -37,40.503 -37,41.129 -37.346,41.475 v1(-37.346,41.525) ; U3.14@-38.2,51.91 -36.353,51.91 -35.61,51.167 -35.61,44.371 -35.835,44.146 -35.835,43.321 v1@-35.847,43.309 ; v1(-35.855,43.3) v1@-35.847,43.309 ; U4.14@-23.7,51.91 -22.27,51.91 -21.7,51.34 -21.7,44.376 -22.767,43.309 v1@-35.847,43.309 ; v2(-12.453,11.917) -11.608,12.761 -2.537,12.761 v1(-2.197,12.422) ; v1(12.469,17.446) 13.129,17.446 13.376,17.2 20.443,17.2 22.782,14.861 D17.38@22.782,13.075
  Bottom Layer, Bottom w0.15: v1(-91.575,55.354) -91.561,55.34 -90.04,55.34 -89.892,55.488 v1(-89.77,55.488) ; v1(-77,19.5) -76.912,19.5 -76.687,19.275 -74.813,19.275 -74.588,19.5 v1(-74.5,19.5) ; X24.3@-73,41.96 X23.3@-70.25,41.96 X22.3@-67.5,41.96 -67.499,41.959 -57.737,41.959 v1(-57.736,41.958) ; v1(-37.346,41.525) -37.321,41.5 -36.5,41.5 -35.855,42.145 v1(-35.855,43.3) ; v1(-12.453,5.081) -12.867,5.496 -12.867,10.726 -12.453,11.14 v2(-12.453,11.917) ; v1(-2.197,12.422) -0.507,12.422 1.034,13.963 10.59,13.963 12.469,15.843 v1(12.469,17.446)
I2C.SDA_1: D4.18 D11.5 D17.39 R52.2 U3.15 U4.15 X22.2 X23.2 X24.2 | length 337
  Top Layer, Top w0.15: D4.18@-106.75,50.975 -106.75,51.758 -106.089,52.419 -102.354,52.419 -101.323,53.45 -98.178,53.45 -95.734,55.894 v1(-92.096,55.894) ; v1(-77.75,19.439) -77.75,44.5 ; v1(-74.5,18.75) -74.414,18.664 -74.154,18.664 -74,18.509 D11.5@-74,18 ; X24.2@-73,44.5 -77.75,44.5 ; v1(-57.606,44.25) -57.606,44.19 -57.211,43.796 -57.211,41.857 -55.812,40.457 -37.984,40.457 -37.63,40.811 v1(-37.598,40.811) ; U3.15@-38.2,53.18 -36.582,53.18 -35.31,51.908 v1(-35.31,43.929) -34.99,43.609 -22.891,43.609 -22,44.5 -22,50.879 -22.406,51.285 -25.014,51.285 -25.25,51.521 -25.25,53 -25.062,53.188 -23.708,53.188 U4.15@-23.7,53.18 ; R52.2@-17.506,0 -17.506,0.127 -15.704,1.928 -15.704,1.95 -14.35,1.95 -11.779,4.521 v1(-11.779,5.412) -11.865,5.498 -12.127,5.498 -12.279,5.65 -27.947,5.65 -28.705,4.892 -46.62,4.892 -47.078,5.35 -60.082,5.35 -62.766,8.033 -62.766,50.528 -68.424,56.186 -90.246,56.186 v1(-90.568,55.865) -90.568,55.824 -90.295,55.552 -90.295,55.259 -81.838,46.802 -79.252,46.802 -77.75,45.3 -77.75,44.5 ; v2(-11.78,11.58) -11.776,11.585 -11.776,12.017 -11.332,12.461 -3.363,12.461 v1(-2.781,11.879) ; v1(13,18) 13.5,17.5 21.54,17.5 24.052,14.988 D17.39@24.052,13.075
  Bottom Layer, Bottom w0.15: v1(-92.096,55.894) -92.082,55.879 -90.582,55.879 v1(-90.568,55.865) ; v1(-77.75,19.439) -77.286,18.975 -74.813,18.975 -74.588,18.75 v1(-74.5,18.75) ; X24.2@-73,44.5 X23.2@-70.25,44.5 X22.2@-67.5,44.5 -67.475,44.525 -58.001,44.525 -57.727,44.25 v1(-57.606,44.25) ; v1(-37.598,40.811) -36.994,40.811 -36.764,40.811 -35.31,42.266 v1(-35.31,43.929) ; v2(-11.78,11.58) -12.153,11.208 -12.153,11.016 -12.567,10.602 -12.567,6.2 v1(-11.779,5.412) ; v1(-2.781,11.879) -0.626,11.879 1.159,13.663 10.714,13.663 13,15.95 v1(13,18)
I\N\T\_1: D1.12 D9.10 R1.1 XS1.B13 XS2.B13 | length 187.1
  Top Layer, Top w0.15: R1.1@-124.65,-81.475 -124.65,-80.6 -124.208,-80.158 -120.908,-80.158 -119.65,-78.9 D1.12@-119.65,-76.7 v1(-119.65,-67) ; v1@-116.75,-47.2 -116.65,-47.3 -116.65,-48.313 -113.949,-51.013 -103.805,-51.013 -98.255,-45.463 -87.47,-45.463 -86.913,-44.906 -54.681,-44.906 -49.25,-39.475 D9.10@-49.25,-38.25 ; v1(-116.65,-47.1) -117.665,-46.085 -117.665,0.435 XS2.B13@-116.29,1.81
  Bottom Layer, Bottom w0.15: XS1.B13@-136.985,1.435 -135.228,3.192 -125.261,3.192 -123.879,1.81 -116.36,1.81 XS2.B13@-116.35,1.8 ; v1(-119.65,-67) -119.65,-66.962 -119.375,-66.687 -119.375,-65.782 -119.15,-65.557 -119.15,-53.638 -116.65,-51.138 -116.65,-47.3 v1@-116.75,-47.2
I\O\R\Q\1\_1: D9.148 XS1.B17 | length 99.2
  Top Layer, Top w0.15: XS1.B17@-136.61,-8.35 -134.967,-9.993 v1(-134.967,-14.823) ; v1@-106.65,-13.895 -103.168,-10.413 -69.513,-10.413 -64.083,-4.983 -51.01,-4.983 -49.75,-6.244 D9.148@-49.75,-8.25
  Bottom Layer, Bottom w0.15: v1(-134.967,-14.823) -134.658,-14.514 -129.798,-14.514 -129.508,-14.805 -112.161,-14.805 -111.861,-14.505 -107.258,-14.505 v1(-106.65,-13.896)
I\O\R\Q\2\_1: D9.149 XS1.B31 XS2.B17 | length 167.8
  Top Layer, Top w0.15: v1(-127.784,-42.63) -126.864,-41.71 -126.864,-12.926 -127.3,-12.491 -127.3,-9.333 -126.475,-8.508 v1(-126.475,-7.103) ; v1(-107.824,-42.272) -107.824,-28.584 -106.622,-27.382 -106.622,-14.611 -102.724,-10.713 -69.389,-10.713 -63.959,-5.283 -51.135,-5.283 -50.25,-6.168 D9.149@-50.25,-8.25
  Bottom Layer, Bottom w0.15: XS1.B31@-136.872,-44.172 -135.298,-42.598 -127.817,-42.598 v1(-127.784,-42.63) -108.209,-42.63 -107.851,-42.272 v1(-107.824,-42.272) ; v1(-126.475,-7.103) -125.228,-8.35 XS2.B17@-116.3,-8.35
I\O\R\Q\_1: D1.16 D9.7 R4.2 | length 106.7
  Top Layer, Top w0.15: R4.2@-117.5,-81.798 -117.5,-79.5 -116.45,-78.45 D1.16@-116.45,-76.7 -116.45,-68.6 v1(-114.75,-66.9) ; v1(-114.35,-48.2) -112.436,-50.113 -104.178,-50.113 -98.628,-44.563 -87.843,-44.563 -87.286,-44.006 -55.281,-44.006 -50.75,-39.475 D9.7@-50.75,-38.25
  Bottom Layer, Bottom w0.15: v1(-114.75,-66.9) -114.75,-64.113 -112.163,-61.526 -112.163,-50.386 v1(-114.35,-48.2)
I\P\_5: D6.35 J2.1 R56.1 X10.8 | length 80
  Top Layer, Top w0.15: J2.1@-71,-76.29 -70.99,-76.3 -70.99,-85.401 v1(-70.98,-85.411) ; v1(-56.08,-85.463) -55.981,-85.463 -55.529,-85.915 -31.483,-85.915 -30.589,-85.02 -30.589,-83.921 -29.796,-83.128 -28.678,-83.128 -27.979,-82.429 -27.979,-81.07 -29.666,-79.382 v1(-29.666,-72.688)
  Bottom Layer, Bottom w0.15: v1(-70.98,-85.411) -70.896,-85.411 -70.392,-85.915 -56.568,-85.915 -56.117,-85.463 v1(-56.08,-85.463) -56.08,-83.024 X10.8@-57.235,-81.87 ; D6.35@-35.01,-66.63 -34.747,-66.893 -34.747,-67.607 v1(-29.666,-72.688)
  Bottom Layer, Bottom w0.2: D6.35@-35.01,-66.63 -35.01,-64.26 R56.1@-35,-64.25
IORQGE1_1: D9.78 R11.2 XS1.A13 | length 149.8
  Top Layer, Top w0.15: v1(-112.173,3.049) -109.494,3.049 -107.543,5 R11.2@-106.452,5 -106.452,5.127 -105.554,6.025 -101.588,6.025 -99.431,3.869 -91.647,3.869 -90.426,2.647 -86.603,2.647 -76.542,-7.413 -70.761,-7.413 -64.868,-1.521 -50.782,-1.521 -50.554,-1.748 v1(-50.469,-1.748) ; v1(-50.455,-0.06) -49.772,0.623 -49.07,0.623 -47.959,1.735 -26.084,1.735 -25.292,0.942 -25.292,-1.231 -23.611,-2.912 -23.611,-4.047 -22.663,-4.995 -22.365,-4.995 v1(-22.293,-5.067) ; D9.78@-26,-23.5 -22.556,-23.5 -22.411,-23.645 v1(-22.29,-23.645)
  Bottom Layer, Bottom w0.15: XS1.A13@-131.53,1.81 -125.105,1.81 -124.03,0.735 -114.487,0.735 v1(-112.173,3.049) ; v1(-50.469,-1.748) -50.462,-1.741 -50.462,-0.067 v1(-50.455,-0.06) ; v1(-22.293,-5.067) -22.293,-5.189 -22.054,-5.427 -22.054,-5.719 -22.051,-5.722 -22.051,-23.284 -22.29,-23.523 v1(-22.29,-23.645)
IORQGE2_1: D9.80 R9.2 XS1.A31 XS2.A13 | length 192.1
  Top Layer, Top w0.15: XS1.A31@-131.53,-43.91 -127.838,-43.91 -126.55,-42.622 -126.55,-12.817 -127,-12.367 -127,-9.457 -125.95,-8.407 -125.95,-6.597 -126.992,-5.555 v1(-126.992,-0.829) ; XS2.A13@-111.21,1.81 -109.34,1.81 -107.794,3.356 -105.181,3.356 R9.2@-104.445,2.62 ; R9.2@-104.496,2.25 -103.374,2.25 -102.056,3.569 -91.771,3.569 -90.55,2.347 -86.727,2.347 -76.666,-7.713 -70.636,-7.713 -64.745,-1.822 -51.593,-1.822 -51.369,-2.046 v1(-51.281,-2.046) ; v1(-51.29,-0.073) -51.21,-0.073 -50.214,0.923 -49.195,0.923 -48.083,2.035 -25.96,2.035 -24.992,1.067 -24.992,-1.107 -23.079,-3.02 -23.079,-3.798 v1(-23.07,-3.807) ; D9.80@-26,-22.5 -23.24,-22.5 -22.972,-22.232 v1(-22.927,-22.232)
  Bottom Layer, Bottom w0.15: v1(-126.992,-0.829) -125.827,-1.995 -115.015,-1.995 XS2.A13@-111.21,1.81 ; v1(-51.29,-0.073) -51.285,-0.078 -51.285,-2.042 v1(-51.281,-2.046) ; v1(-23.07,-3.807) -23.07,-4.537 -23.227,-4.694 -23.227,-5.303 -22.66,-5.87 -22.66,-21.919 -22.927,-22.186 v1(-22.927,-22.232)
JDET_3: D4.15 J5.4 R106.1 | length 47.5
  Top Layer, Top w0.15: J5.4@-118.95,66.45 -119.5,65.9 -119.5,57.621 v1(-118.5,56.621) v1(-118.5,48.029) ; v1(-116.532,56.621) -103.785,56.621 -101.198,54.034 v1(-101.198,53.975) ; D4.15@-105.525,49.75 -103.399,49.75 v1(-101.199,51.95)
  Bottom Layer, Bottom w0.15: v1(-118.5,48.029) -115.804,48.029 R106.1@-115.775,48 ; v1(-118.5,56.621) v1(-116.532,56.621) ; v1@-101.198,51.95 v1(-101.198,53.975)
LED1_10: R74.1 U3.11 | length 167.7
  Top Layer, Top w0.15: U3.11@-38.2,48.1 -36.785,48.1 -36.408,47.723 -36.408,43.034 -34.777,41.403 -6.06,41.403 0.829,34.514 0.829,10.718 11.129,0.418 11.129,-23.371 7.221,-27.279 6.828,-27.279 v1(6.784,-27.235) ; R74.1@5.75,-74.496 5.877,-74.496 6.406,-73.967 6.406,-73.962 9.75,-70.618 9.75,-65.5 10.35,-64.9 10.35,-45.85 8.5,-44 8.5,-39.359 9.292,-38.567 v1(9.292,-36.952)
  Bottom Layer, Bottom w0.15: v1(6.784,-27.235) 8.254,-28.706 8.456,-28.706 9.84,-30.09 9.84,-31.012 10.117,-31.289 10.117,-34.608 9.289,-35.436 9.289,-36.949 v1(9.292,-36.952)
left_ch1_3: C4.1 C7.2 R24.2 R32.1 R101.1 | length 16.6
  Top Layer, Top w0.3: R101.1@-85.5,23.102 C7.2@-83.25,23.102 R32.1@-83.25,28.25 -84.375,28.25 ; R24.2@-85.5,28.25 -84.375,28.25 ; C4.1@-85.5,34.75 -85.5,32.5 -84.375,31.375 -84.375,28.25
left_ch2_3: C19.2 D4.3 | length 18.9
  Top Layer, Top w0.15: -108.75,45 D4.3@-108.75,46.025
  Top Layer, Top w0.3: C19.2@-122,44.5 -120,44.5 -119.75,44.25 -119.75,42.439 -118.011,40.7 -112.641,40.7 -108.75,44.591 -108.75,45
left_ch3_3: C21.2 D4.2 | length 19.7
  Top Layer, Top w0.15: -109.25,45 D4.2@-109.25,46.025
  Top Layer, Top w0.3: C21.2@-122,47 -120.711,47 -119.267,45.556 -119.267,42.592 -117.825,41.15 -112.827,41.15 -109.25,44.727 -109.25,45
LOUT_3: C17.1 D4.31 | length 3.5
  Top Layer, Top w0.15: -111.5,47.25 D4.31@-110.475,47.25
  Top Layer, Top w0.3: C17.1@-113.75,46.625 -112.5,46.625 -111.875,47.25 -111.5,47.25